# Altium PCB MAIN_BOARD.PcbDoc (part 3 of 4)
Units mm, origin at the board's own origin, x right, y up, seen from the top; angles counter-clockwise.
Board outline 130 x 120 mm, 4 copper layers (TOP, GND/INT_SIG_1, GND/INT_SIG_2, BOTTOM), stack 1.586 mm thick; 406 components, 346 nets, 1737 pads, 314 vias.
Unrouted connection lines stored in the file: 727.
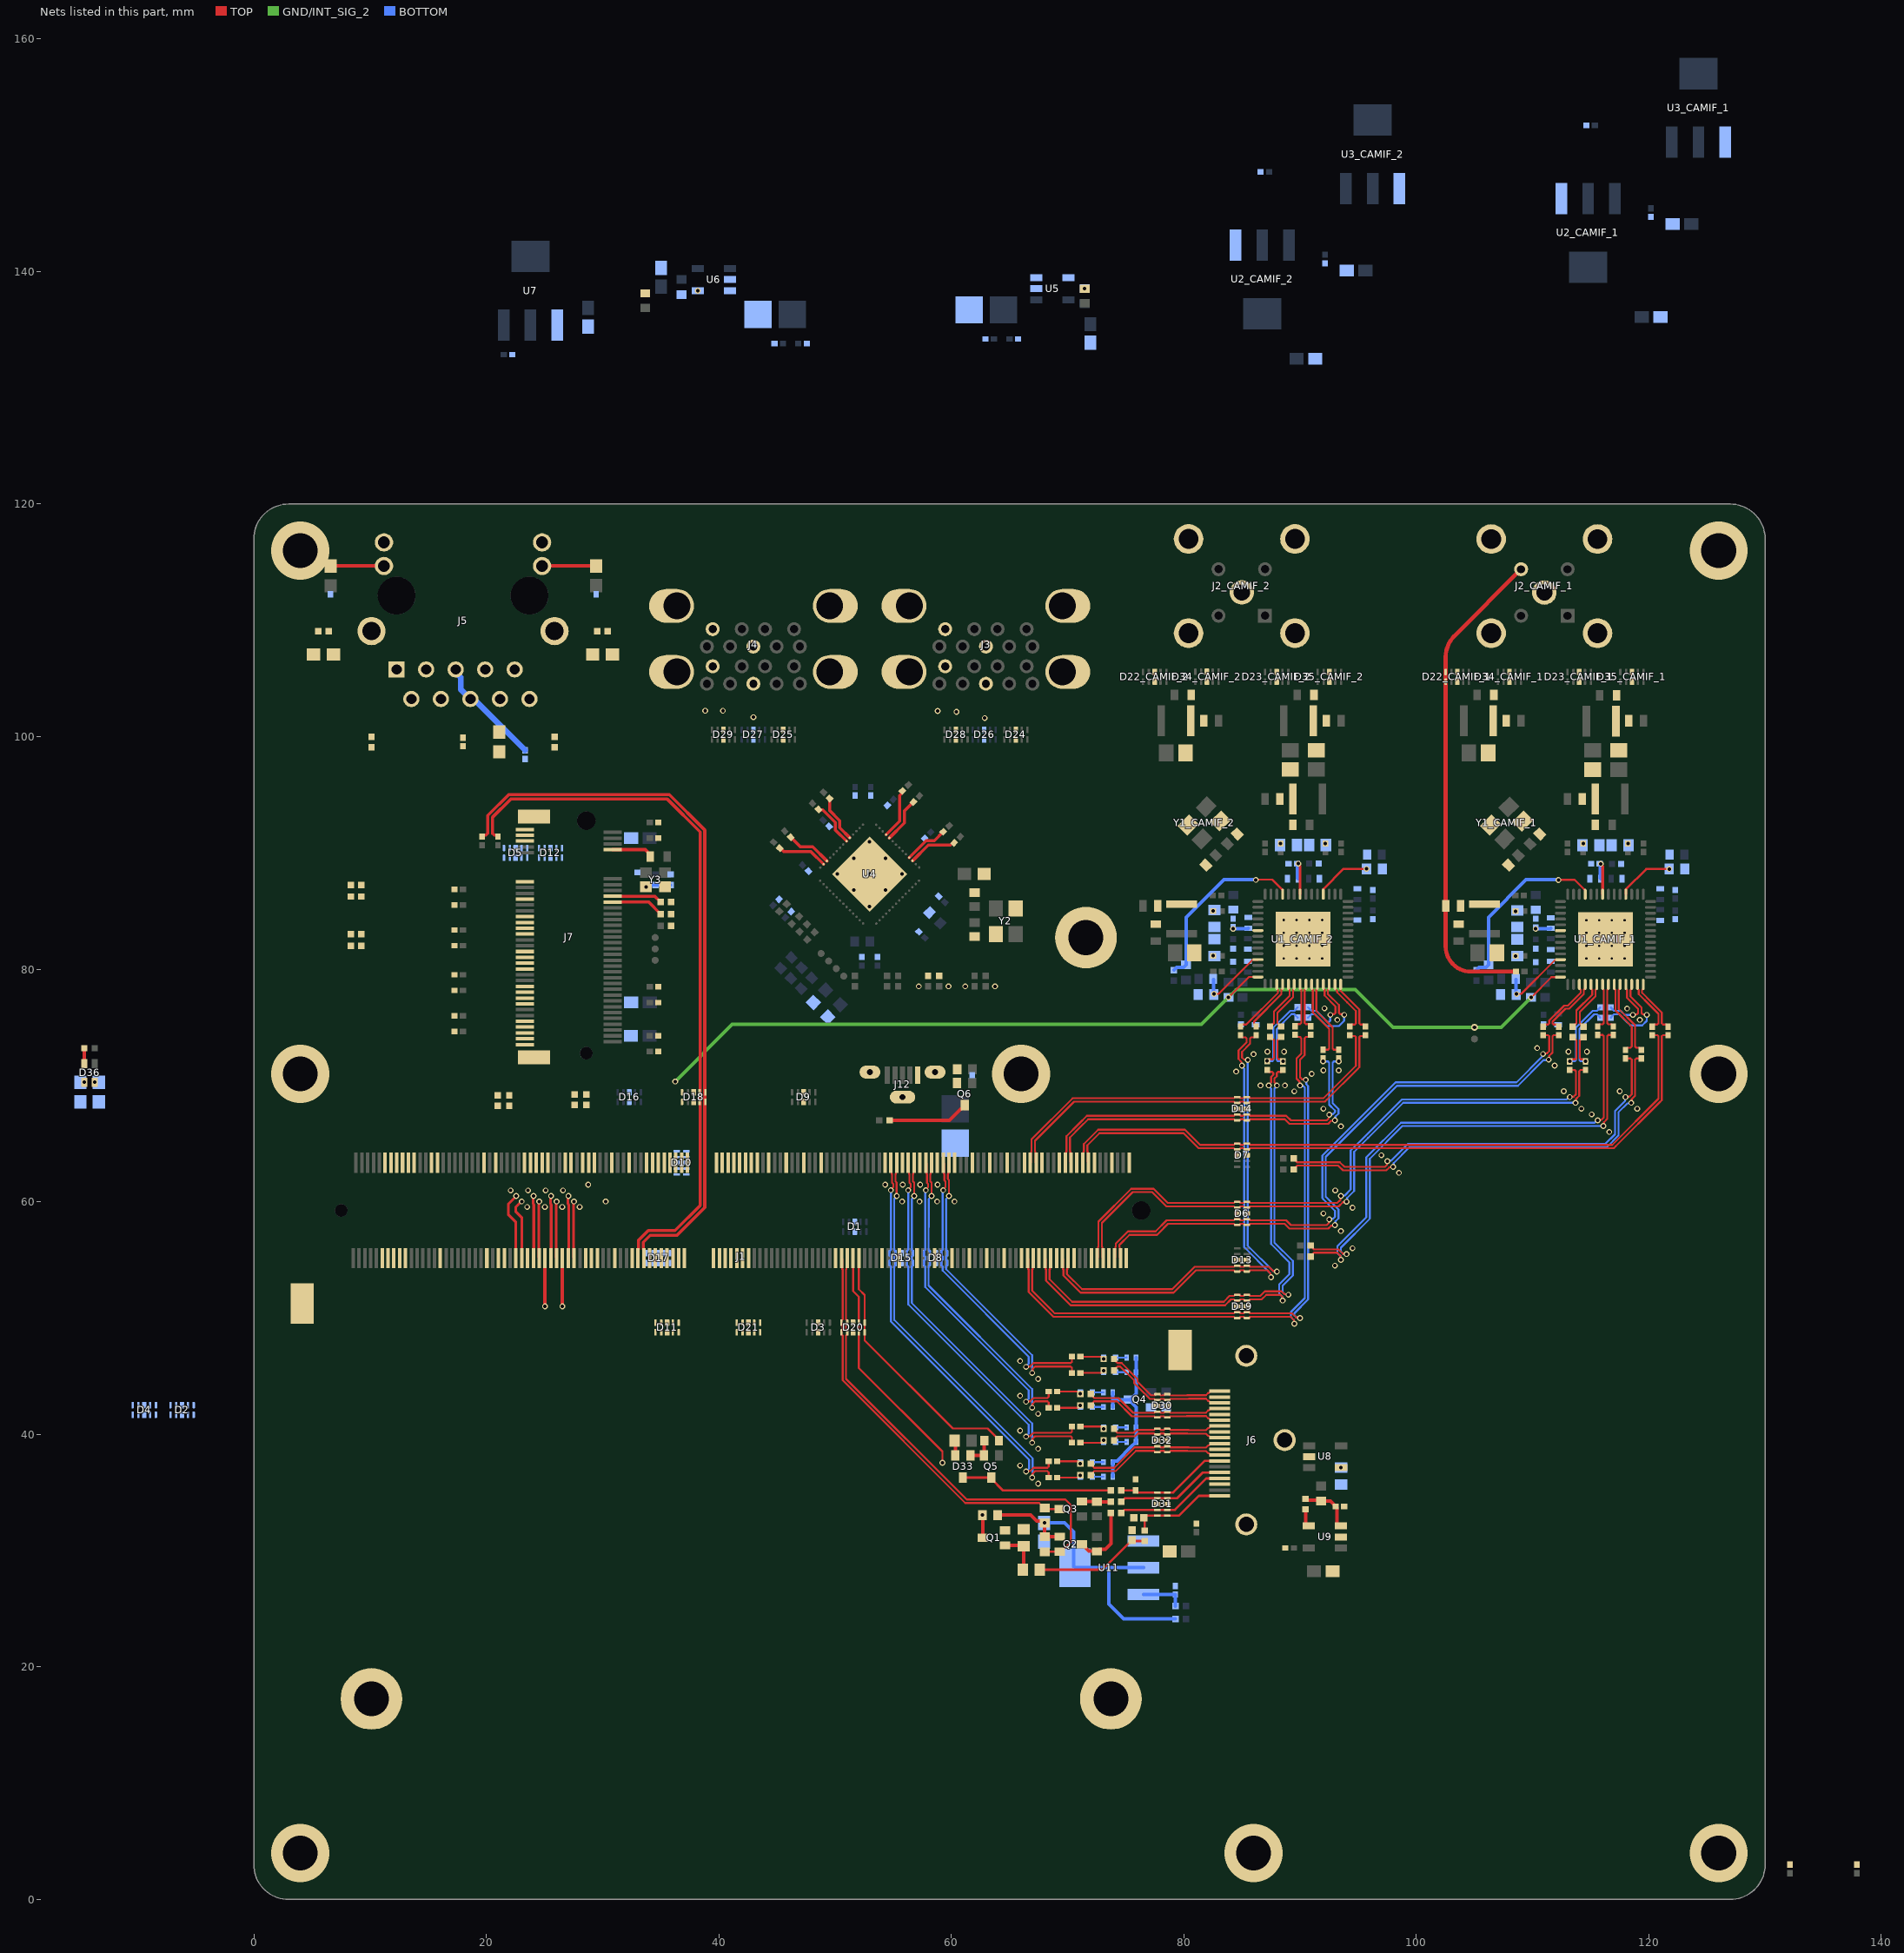
[diagram p5: the nets of this part, all layers, seen from the top]

## Via types
v1: diameter 0.5, hole 0.3, TOP to BOTTOM, 266 vias
v2: diameter 0.5, hole 0.2, TOP to BOTTOM, 32 vias
v3: diameter 5, hole 3, TOP to BOTTOM, 8 vias
v4: diameter 1, hole 0.6, TOP to BOTTOM, 8 vias

## Nets (pads, with @x,y where several pads share a name; then routed paths per layer and width w, separated by ;. In a path a pad name is that pad's centre, name@x,y a point inside that pad or via, vN(x,y) a via of type N, cw(c..) or ccw(c..) an arc to the next point about the centre after c; other vN are vias at no path point) (continued)
CAM_I2C_SDA: D18.5 D18.6 J1.215 R17_CAMIF_1.1 R17_CAMIF_2.1 TP8.1 U1_CAMIF_1.28 U1_CAMIF_2.28 | length 85.8
  TOP w0.168: v1(83.845,77.575) 85.595,79.325 U1_CAMIF_2.28@86.37,79.325 ; v1(109.869,77.567) 111.619,79.317 U1_CAMIF_1.28@112.394,79.317
  GND/INT_SIG_2 w0.3: v1(36.25,70.342) 41.158,75.25 81.52,75.25 v1(83.845,77.575) 84.52,78.25 94.75,78.25 98,75 v1(105,75) 107.302,75 v1(109.869,77.567)
CAN_RX: J1.143
CAN_TX: J1.145
CK_CAMIF_1_N: C14_CAMIF_1.2 R7_CAMIF_1.2 R8_CAMIF_1.2 | length 8.3
  TOP w0.168: R7_CAMIF_1.2@114.394,74.167 114.203,73.976 114.164,73.976 114.066,73.878 114.066,72.665 114.066,72.346 114.164,72.248 114.392,72.248 114.544,72.095 v1(114.544,72.067)
  BOTTOM w0.168: v1(114.544,72.067) 114.53,72.081 114.114,72.081 114.016,72.18 114.016,74.848 115.293,76.124 115.53,76.124 115.628,76.026 115.628,76.016 R8_CAMIF_1.2@115.819,75.825
CK_CAMIF_1_P: C11_CAMIF_1.2 R5_CAMIF_1.2 R6_CAMIF_1.2 | length 8.9
  TOP w0.168: v1(113.194,72.095) 113.346,72.248 113.673,72.248 113.772,72.346 113.772,72.788 113.772,73.878 113.673,73.976 113.635,73.976 R5_CAMIF_1.2@113.444,74.167
  BOTTOM w0.168: v1(113.194,72.095) 113.208,72.081 113.623,72.081 113.722,72.18 113.722,74.97 115.171,76.419 115.53,76.419 115.628,76.517 115.628,76.526 R6_CAMIF_1.2@115.819,76.717
CK_CAMIF_2_N: C14_CAMIF_2.2 R7_CAMIF_2.2 R8_CAMIF_2.2 | length 8.3
  TOP w0.168: R7_CAMIF_2.2@88.37,74.175 88.178,73.984 88.14,73.984 88.042,73.886 88.042,72.673 88.042,72.354 88.14,72.256 88.367,72.256 88.52,72.103 v1(88.52,72.075)
  BOTTOM w0.168: v1(88.52,72.075) 88.506,72.089 88.09,72.089 87.992,72.187 87.992,74.855 89.268,76.132 89.505,76.132 89.603,76.034 89.603,76.024 R8_CAMIF_2.2@89.795,75.833
CK_CAMIF_2_P: C11_CAMIF_2.2 R5_CAMIF_2.2 R6_CAMIF_2.2 | length 8.9
  TOP w0.168: v1(87.17,72.103) 87.322,72.256 87.649,72.256 87.747,72.354 87.747,72.795 87.747,73.886 87.649,73.984 87.611,73.984 R5_CAMIF_2.2@87.42,74.175
  BOTTOM w0.168: v1(87.17,72.103) 87.184,72.089 87.599,72.089 87.697,72.187 87.697,74.977 89.146,76.426 89.505,76.426 89.603,76.524 89.603,76.534 R6_CAMIF_2.2@89.795,76.725
CKA_CAMIF_1_N: R8_CAMIF_1.1 U1_CAMIF_1.40 | length 7.7
  TOP w0.168: U1_CAMIF_1.40@118.519,78.692 118.519,78.32 118.416,78.217 118.416,77.659 119.366,76.709 119.366,76.224 119.464,76.126 119.76,76.126 v1(119.819,76.067)
  BOTTOM w0.168: R8_CAMIF_1.1@116.719,75.825 116.91,76.016 116.91,76.026 117.008,76.124 117.451,76.124 117.994,75.581 118.417,75.158 119.419,75.158 119.819,75.558 v1(119.819,76.067)
CKA_CAMIF_1_P: R6_CAMIF_1.1 U1_CAMIF_1.39 | length 5.6
  TOP w0.168: U1_CAMIF_1.39@118.019,78.692 118.019,78.32 118.122,78.217 118.122,77.537 119.072,76.587 119.072,76.224 118.973,76.126 118.678,76.126 v1(118.619,76.067)
  BOTTOM w0.168: R6_CAMIF_1.1@116.719,76.717 116.91,76.526 116.91,76.517 117.008,76.419 117.573,76.419 117.924,76.067 v1(118.619,76.067)
CKA_CAMIF_2_N: R8_CAMIF_2.1 U1_CAMIF_2.40 | length 7.8
  TOP w0.168: U1_CAMIF_2.40@92.495,78.7 92.495,78.328 92.392,78.225 92.392,77.867 93.342,76.917 93.342,76.232 93.44,76.134 93.736,76.134 v1(93.795,76.075)
  BOTTOM w0.168: R8_CAMIF_2.1@90.695,75.833 90.886,76.024 90.886,76.034 90.984,76.132 91.273,76.132 92.292,75.113 93.342,75.113 93.795,75.566 v1(93.795,76.075)
CKA_CAMIF_2_P: R6_CAMIF_2.1 U1_CAMIF_2.39 | length 6.4
  TOP w0.168: U1_CAMIF_2.39@91.995,78.7 91.995,78.328 92.097,78.225 92.097,77.745 93.047,76.795 93.047,76.232 92.949,76.134 92.653,76.134 v1(92.595,76.075)
  BOTTOM w0.168: R6_CAMIF_2.1@90.695,76.725 90.886,76.534 90.886,76.524 90.984,76.426 91.395,76.426 92.358,75.464 92.497,75.464 92.595,75.562 v1(92.595,76.075)
CKC_CAMIF_1_N: R7_CAMIF_1.1 U1_CAMIF_1.34 | length 4.4
  TOP w0.168: R7_CAMIF_1.1@114.394,75.067 114.203,75.258 114.165,75.258 114.066,75.357 114.066,76.326 115.416,77.676 115.416,78.218 115.519,78.32 U1_CAMIF_1.34@115.519,78.692
CKC_CAMIF_1_P: R5_CAMIF_1.1 U1_CAMIF_1.33 | length 4.4
  TOP w0.168: R5_CAMIF_1.1@113.444,75.067 113.635,75.258 113.673,75.258 113.771,75.357 113.771,76.448 115.121,77.798 115.121,78.218 115.019,78.32 U1_CAMIF_1.33@115.019,78.692
CKC_CAMIF_2_N: R7_CAMIF_2.1 U1_CAMIF_2.34 | length 4.4
  TOP w0.168: R7_CAMIF_2.1@88.37,75.075 88.178,75.266 88.14,75.266 88.042,75.364 88.042,76.238 89.392,77.588 89.392,78.225 89.495,78.328 U1_CAMIF_2.34@89.495,78.7
CKC_CAMIF_2_P: R5_CAMIF_2.1 U1_CAMIF_2.33 | length 4.4
  TOP w0.168: R5_CAMIF_2.1@87.42,75.075 87.611,75.266 87.649,75.266 87.747,75.364 87.747,76.36 89.097,77.71 89.097,78.225 88.995,78.328 U1_CAMIF_2.33@88.995,78.7
CSI0_CLK_N: C14_CAMIF_1.1 D6.2 D6.9 J1.10 | length 54.8
  TOP w0.168: J1.10@73.05,55.15 72.984,55.216 72.984,56.097 72.947,56.134 72.947,58.173 75.6,60.825 77.275,60.825 78.498,59.602 84.297,59.602 84.4,59.5 D6.2@84.583,59.5 84.765,59.5 84.868,59.602 85.132,59.602 85.235,59.5 D6.9@85.417,59.5 85.6,59.5 85.703,59.602 93.319,59.602 93.671,59.955 93.955,59.955 v1(94,60) ; v1(113.686,68.508) 113.731,68.553 113.731,68.837 114.014,69.12 114.014,71.231 114.113,71.329 C14_CAMIF_1.1@114.544,71.329
  BOTTOM w0.168: v1(94,60) 94.045,60.045 94.045,60.329 94.65,60.934 94.65,64.283 95.847,65.48 98.874,68.508 v1(113.686,68.508)
CSI0_CLK_P: C11_CAMIF_1.1 D6.1 D6.10 J1.12 | length 54.7
  TOP w0.168: J1.12@72.55,55.15 72.616,55.216 72.616,56.097 72.652,56.134 72.652,58.295 75.478,61.12 77.397,61.12 78.62,59.897 84.297,59.897 84.4,60 D6.1@84.583,60 84.765,60 84.868,59.897 85.132,59.897 85.235,60 D6.10@85.417,60 85.6,60 85.703,59.897 93.197,59.897 93.463,60.163 93.463,60.447 v1(93.508,60.492) ; v1(113.194,69) 113.239,69.045 113.523,69.045 113.72,69.242 113.72,71.231 113.622,71.329 113.202,71.329 C11_CAMIF_1.1@113.194,71.337
  BOTTOM w0.168: v1(93.508,60.492) 93.553,60.537 93.837,60.537 94.355,61.056 94.355,64.405 95.725,65.775 98.752,68.802 112.93,68.802 113.127,69 v1(113.194,69)
CSI0_D0_N: C2_CAMIF_1.1 D6.5 D6.6 J1.4 | length 52.7
  TOP w0.168: J1.4@74.55,55.15 74.484,55.216 74.484,56.097 74.447,56.134 74.447,56.277 75.325,57.155 77.694,57.155 77.866,57.328 78.641,58.102 84.297,58.102 84.4,58 D6.5@84.583,58 84.765,58 84.868,58.102 85.132,58.102 85.235,58 D6.6@85.417,58 85.6,58 85.703,58.102 88.676,58.102 89.087,57.691 92.417,57.691 92.671,57.946 92.955,57.946 v1(93,57.991) ; v1(111.386,72.218) 111.431,72.263 111.431,72.547 111.716,72.832 111.716,74.224 111.814,74.323 C2_CAMIF_1.1@112.244,74.323
  BOTTOM w0.168: v1(93,57.991) 93.045,58.036 93.045,58.32 93.299,58.574 93.299,59.337 92.295,60.342 92.208,60.428 92.208,63.858 98.33,69.98 108.738,69.98 110.931,72.173 111.341,72.173 v1(111.386,72.218)
CSI0_D0_P: C1_CAMIF_1.1 D6.4 D6.7 J1.6 | length 52.7
  TOP w0.168: J1.6@74.05,55.15 74.116,55.216 74.116,56.097 74.152,56.134 74.152,56.399 75.203,57.45 77.571,57.45 78.519,58.397 84.297,58.397 84.4,58.5 D6.4@84.583,58.5 84.765,58.5 84.868,58.397 85.132,58.397 85.235,58.5 D6.7@85.417,58.5 85.6,58.5 85.703,58.397 88.798,58.397 89.209,57.986 92.295,57.986 92.463,58.154 92.463,58.438 v1(92.508,58.483) ; v1(110.894,72.71) 110.939,72.755 111.223,72.755 111.422,72.954 111.422,74.224 111.323,74.323 C1_CAMIF_1.1@110.894,74.323
  BOTTOM w0.168: v1(92.508,58.483) 92.553,58.528 92.837,58.528 93.004,58.696 93.004,59.215 92,60.22 91.914,60.306 91.914,63.98 98.208,70.275 108.616,70.275 110.83,72.49 110.83,72.647 v1(110.894,72.71)
CSI0_D1_N: C4_CAMIF_1.1 R3.2 | length 42.7
  TOP w0.168: R3.2@90.9,56.235 91.091,56.043 91.091,56.004 91.189,55.906 93.308,55.906 93.67,55.544 93.956,55.544 v1(94,55.5) ; v1(116.086,66.508) 116.131,66.553 116.131,66.837 116.416,67.122 116.416,74.249 116.514,74.348 C4_CAMIF_1.1@116.944,74.348
  BOTTOM w0.168: v1(94,55.5) 93.956,55.544 93.67,55.544 93.502,55.712 93.502,56.052 95.995,58.545 95.995,63.697 98.806,66.508 v1(116.086,66.508)
CSI0_D1_P: C3_CAMIF_1.1 R4.2 | length 42.6
  TOP w0.168: R4.2@90.9,55.283 91.091,55.474 91.091,55.513 91.189,55.612 93.186,55.612 93.462,55.336 93.462,55.05 v1(93.506,55.006) ; v1(115.594,67) 115.639,67.045 115.923,67.045 116.122,67.244 116.122,74.249 116.023,74.348 C3_CAMIF_1.1@115.594,74.348
  BOTTOM w0.168: v1(93.506,55.006) 93.462,55.05 93.462,55.336 93.208,55.59 93.208,56.175 95.7,58.667 95.7,63.819 98.684,66.802 115.33,66.802 115.527,67 v1(115.594,67)
CSI1_D0_N: C6_CAMIF_1.1 R1.2 | length 37.5
  TOP w0.168: R1.2@89.45,62.775 89.641,62.966 89.641,63.006 89.739,63.104 93.291,63.104 93.695,62.7 97.417,62.7 97.671,62.955 97.955,62.955 v1(98,63) ; v1(118.486,68.508) 118.531,68.553 118.531,68.837 118.816,69.122 118.816,72.231 118.914,72.329 C6_CAMIF_1.1@119.344,72.329
  BOTTOM w0.168: v1(98,63) 98.045,63.045 98.045,63.329 99.381,64.665 116.359,64.665 117.38,65.686 117.38,67.686 118.157,68.463 118.441,68.463 v1(118.486,68.508)
CSI1_D0_P: C5_CAMIF_1.1 R2.2 | length 37
  TOP w0.168: R2.2@89.45,63.728 89.641,63.537 89.641,63.498 89.739,63.399 93.413,63.399 93.817,62.995 97.295,62.995 97.463,63.163 97.463,63.447 v1(97.508,63.492) ; v1(117.994,69) 118.039,69.045 118.323,69.045 118.522,69.244 118.522,72.231 118.423,72.329 C5_CAMIF_1.1@117.994,72.329
  BOTTOM w0.168: v1(97.508,63.492) 97.553,63.537 97.837,63.537 99.259,64.959 116.237,64.959 117.086,65.808 117.086,67.808 117.949,68.671 117.949,68.955 v1(117.994,69)
CSI1_D1_N: C10_CAMIF_1.1 D7.4 D7.7 J1.15 | length 59.9
  TOP w0.168: J1.15@71.8,63.35 71.734,63.416 71.734,64.297 71.697,64.334 71.697,64.848 72.75,65.9 79.975,65.9 81.273,64.602 84.297,64.602 84.4,64.5 D7.7@84.583,64.5 84.765,64.5 84.868,64.602 85.132,64.602 85.235,64.5 D7.4@85.417,64.5 85.6,64.5 85.703,64.602 116.977,64.602 117.15,64.775 120.944,68.569 121.116,68.741 121.116,74.224 121.215,74.323 C10_CAMIF_1.1@121.644,74.323
CSI1_D1_P: C9_CAMIF_1.1 D7.5 D7.6 J1.17 | length 59.9
  TOP w0.168: J1.17@71.3,63.35 71.366,63.416 71.366,64.297 71.402,64.334 71.402,64.97 72.628,66.195 80.097,66.195 81.395,64.897 84.297,64.897 84.4,65 D7.6@84.583,65 84.765,65 84.868,64.897 85.132,64.897 85.235,65 D7.5@85.417,65 85.6,65 85.703,64.897 116.855,64.897 120.821,68.864 120.821,74.224 120.723,74.323 C9_CAMIF_1.1@120.294,74.323
CSI2_CLK_N: C14_CAMIF_2.1 D19.1 D19.10 J1.28 | length 45.2
  TOP w0.168: J1.28@68.55,55.15 68.484,55.084 68.484,54.203 68.447,54.167 68.447,53.338 70.385,51.4 83.429,51.4 83.927,51.897 84.297,51.897 84.4,52 D19.1@84.583,52 84.765,52 84.868,51.897 85.132,51.897 85.235,52 D19.10@85.417,52 85.6,52 85.703,51.897 86.569,51.897 86.97,52.298 88.416,52.298 88.67,52.044 88.956,52.044 v1(89,52) ; v1(88,70) 88,70.061 87.797,70.264 87.797,70.609 87.988,70.8 87.988,71.061 88.086,71.159 88.367,71.159 88.52,71.312 C14_CAMIF_2.1@88.52,71.337
  BOTTOM w0.168: v1(88,70) 88,69.939 87.797,69.736 87.797,56.48 89.375,54.902 89.375,53.65 88.502,52.777 88.502,52.212 88.67,52.044 88.956,52.044 v1(89,52)
CSI2_CLK_P: C11_CAMIF_2.1 D19.2 D19.9 J1.30 | length 45.7
  TOP w0.168: J1.30@68.05,55.15 68.116,55.084 68.116,54.203 68.153,54.167 68.153,53.216 70.263,51.105 83.551,51.105 84.049,51.603 84.297,51.603 84.4,51.5 D19.2@84.583,51.5 84.765,51.5 84.868,51.603 85.132,51.603 85.235,51.5 D19.9@85.417,51.5 85.6,51.5 85.703,51.603 86.691,51.603 87.092,52.003 88.294,52.003 88.462,51.836 88.462,51.55 v1(88.506,51.506) ; C11_CAMIF_2.1@87.17,71.345 87.17,71.312 87.322,71.159 87.595,71.159 87.693,71.061 87.693,70.922 87.502,70.731 87.502,70.264 87.299,70.061 v1(87.299,70)
  BOTTOM w0.168: v1(87.299,70) 87.299,69.939 87.502,69.736 87.502,56.358 89.08,54.78 89.08,53.772 88.208,52.9 88.208,52.09 88.462,51.836 88.462,51.55 v1(88.506,51.506)
CSI2_D0_N: C2_CAMIF_2.1 D13.4 D13.7 J1.22 | length 43.7
  TOP w0.168: J1.22@70.05,55.15 69.984,55.084 69.984,54.203 69.948,54.166 69.948,53.778 71.25,52.475 79,52.475 80.75,54.225 80.923,54.398 84.297,54.398 84.4,54.5 D13.4@84.583,54.5 84.765,54.5 84.868,54.398 85.132,54.398 85.235,54.5 D13.7@85.417,54.5 85.6,54.5 85.703,54.398 87.317,54.398 87.67,54.044 87.956,54.044 v1(88,54) ; v1(85.494,72.198) 85.45,72.242 85.164,72.242 84.997,72.41 84.997,72.894 85.692,73.589 85.692,74.046 85.79,74.144 86.067,74.144 86.22,74.297 C2_CAMIF_2.1@86.22,74.33
  BOTTOM w0.168: v1(85.494,72.198) 85.494,56.22 87.67,54.044 87.956,54.044 v1(88,54)
CSI2_D0_P: C1_CAMIF_2.1 D13.5 D13.6 J1.24 | length 44
  TOP w0.168: J1.24@69.55,55.15 69.616,55.084 69.616,54.203 69.652,54.166 69.652,53.655 71.041,52.266 71.128,52.18 79.122,52.18 81.045,54.102 84.297,54.103 84.4,54 D13.5@84.583,54 84.765,54 84.868,54.103 85.132,54.103 85.235,54 D13.6@85.417,54 85.6,54 85.703,54.103 87.195,54.103 87.462,53.836 87.462,53.55 v1(87.506,53.506) ; C1_CAMIF_2.1@84.87,74.33 84.87,74.297 85.022,74.144 85.299,74.144 85.397,74.046 85.397,73.711 84.702,73.016 84.702,72.288 84.956,72.034 84.956,71.748 v1(85,71.704)
  BOTTOM w0.168: v1(85,71.704) 85,71.639 85.2,71.439 85.2,56.098 87.462,53.836 87.462,53.55 v1(87.506,53.506)
CSI2_D1_N: C4_CAMIF_2.1 D19.4 D19.7 J1.34 | length 53.3
  TOP w0.168: J1.34@67.05,55.15 66.984,55.084 66.984,54.203 66.947,54.167 66.947,52.353 68.714,50.586 68.903,50.397 84.297,50.397 84.4,50.5 D19.4@84.583,50.5 84.765,50.5 84.868,50.397 85.132,50.397 85.235,50.5 D19.7@85.417,50.5 85.6,50.5 85.703,50.397 89.317,50.397 89.67,50.044 89.956,50.044 v1(90,50) ; v1(90.494,70.494) 90.45,70.538 90.164,70.538 89.997,70.706 89.997,72.204 90.392,72.6 90.392,74.071 90.49,74.169 90.767,74.169 90.92,74.322 C4_CAMIF_2.1@90.92,74.355
  BOTTOM w0.168: v1(90,50) 89.956,50.044 89.67,50.044 89.502,50.212 89.502,50.402 90.695,51.595 90.695,69.952 90.538,70.108 90.538,70.45 v1(90.494,70.494)
CSI2_D1_P: C3_CAMIF_2.1 D19.5 D19.6 J1.36 | length 53.7
  TOP w0.168: J1.36@66.55,55.15 66.616,55.084 66.616,54.203 66.653,54.167 66.653,52.231 68.592,50.292 68.781,50.103 84.297,50.103 84.4,50 D19.5@84.583,50 84.765,50 84.868,50.103 85.132,50.103 85.235,50 D19.6@85.417,50 85.6,50 85.703,50.103 89.195,50.103 89.462,49.836 89.462,49.55 v1(89.506,49.506) ; C3_CAMIF_2.1@89.57,74.355 89.57,74.322 89.722,74.169 89.999,74.169 90.097,74.071 90.097,72.722 89.702,72.326 89.702,70.584 89.956,70.33 89.956,70.044 v1(90,70)
  BOTTOM w0.168: v1(89.506,49.506) 89.462,49.55 89.462,49.836 89.208,50.09 89.208,50.524 90.4,51.717 90.4,69.83 90.293,69.936 90.064,69.936 v1(90,70)
CSI3_D0_N: C6_CAMIF_2.1 D14.1 D14.10 J1.21 | length 32
  TOP w0.168: J1.21@70.3,63.35 70.234,63.416 70.234,64.297 70.197,64.333 70.197,65.522 71.089,66.414 71.778,67.103 84.297,67.103 84.4,67 D14.10@84.583,67 84.765,67 84.868,67.103 85.132,67.103 85.235,67 D14.1@85.417,67 85.6,67 85.703,67.103 88.681,67.103 89.082,66.701 92.417,66.701 92.671,66.955 92.955,66.955 v1(93,67)
  BOTTOM w0.168: v1(93,67) 93.045,67.045 93.045,67.329 93.299,67.583 93.299,67.966 92.792,68.473 92.792,71.969 92.89,72.067 v1(93.32,72.067)
CSI3_D0_P: C5_CAMIF_2.1 D14.2 D14.9 J1.23 | length 32
  TOP w0.168: J1.23@69.8,63.35 69.866,63.416 69.866,64.297 69.903,64.333 69.903,65.644 70.967,66.708 71.656,67.397 84.297,67.397 84.4,67.5 D14.9@84.583,67.5 84.765,67.5 84.868,67.397 85.132,67.397 85.235,67.5 D14.2@85.417,67.5 85.6,67.5 85.703,67.397 88.803,67.397 89.204,66.996 92.295,66.996 92.463,67.163 92.463,67.447 v1(92.508,67.492)
  BOTTOM w0.168: v1(91.97,72.067) 92.399,72.067 92.497,71.969 92.497,68.351 93.004,67.844 93.004,67.705 92.837,67.537 92.553,67.537 v1(92.508,67.492)
CSI3_D1_N: C10_CAMIF_2.1 D14.4 D14.7 J1.33 | length 35.8
  TOP w0.168: J1.33@67.3,63.35 67.234,63.416 67.234,64.297 67.197,64.334 67.197,65.248 70.552,68.602 84.297,68.602 84.4,68.5 D14.7@84.583,68.5 84.765,68.5 84.868,68.602 85.132,68.602 85.235,68.5 D14.4@85.417,68.5 85.6,68.5 85.703,68.602 92.124,68.602 92.297,68.775 94.919,71.398 95.092,71.571 95.092,74.152 95.191,74.25 95.539,74.25 C10_CAMIF_2.1@95.62,74.33
CSI3_D1_P: C9_CAMIF_2.1 D14.5 D14.6 J1.35 | length 35.8
  TOP w0.168: J1.35@66.8,63.35 66.866,63.416 66.866,64.297 66.902,64.334 66.902,65.37 70.43,68.897 84.297,68.897 84.4,69 D14.6@84.583,69 84.765,69 84.868,68.897 85.132,68.897 85.235,69 D14.5@85.417,69 85.6,69 85.703,68.897 92.002,68.897 94.797,71.693 94.797,74.152 94.699,74.25 94.35,74.25 C9_CAMIF_2.1@94.27,74.33
DA0_CAMIF_1_N: C2_CAMIF_1.2 U1_CAMIF_1.32 | length 5.4
  TOP w0.168: C2_CAMIF_1.2@112.244,75.056 112.244,75.089 112.092,75.242 111.802,75.242 111.704,75.34 111.704,75.479 112.829,76.604 113.153,76.604 114.404,77.854 114.404,78.205 114.519,78.32 U1_CAMIF_1.32@114.519,78.692
DA0_CAMIF_1_P: C1_CAMIF_1.2 U1_CAMIF_1.31 | length 5.4
  TOP w0.168: C1_CAMIF_1.2@110.894,75.056 110.894,75.089 111.046,75.242 111.336,75.242 111.434,75.34 111.434,75.59 112.717,76.873 113.042,76.873 114.134,77.966 114.134,78.205 114.019,78.32 U1_CAMIF_1.31@114.019,78.692
DA0_CAMIF_2_N: C2_CAMIF_2.2 U1_CAMIF_2.32 | length 4.7
  TOP w0.168: C2_CAMIF_2.2@86.22,75.063 86.067,75.216 86.067,75.307 86.027,75.348 86.027,75.486 88.392,77.852 88.392,78.225 88.495,78.328 U1_CAMIF_2.32@88.495,78.7
DA0_CAMIF_2_P: C1_CAMIF_2.2 U1_CAMIF_2.31 | length 5.2
  TOP w0.168: C1_CAMIF_2.2@84.87,75.063 84.87,75.089 85.022,75.241 85.365,75.241 88.097,77.974 88.097,78.225 87.995,78.328 U1_CAMIF_2.31@87.995,78.7
DA1_CAMIF_1_N: C4_CAMIF_1.2 U1_CAMIF_1.36 | length 4
  TOP w0.168: U1_CAMIF_1.36@116.519,78.692 116.519,78.32 116.416,78.218 116.416,77.005 116.416,75.365 116.515,75.266 116.792,75.266 116.944,75.114 C4_CAMIF_1.2@116.944,75.081
DA1_CAMIF_1_P: C3_CAMIF_1.2 U1_CAMIF_1.35 | length 4
  TOP w0.168: C3_CAMIF_1.2@115.594,75.081 115.594,75.114 115.746,75.266 116.023,75.266 116.121,75.365 116.121,77.127 116.121,78.218 116.019,78.32 U1_CAMIF_1.35@116.019,78.692
DA1_CAMIF_2_N: C4_CAMIF_2.2 U1_CAMIF_2.36 | length 4
  TOP w0.168: U1_CAMIF_2.36@90.495,78.7 90.495,78.328 90.392,78.225 90.392,77.012 90.392,75.373 90.49,75.274 90.767,75.274 90.92,75.122 C4_CAMIF_2.2@90.92,75.088
DA1_CAMIF_2_P: C3_CAMIF_2.2 U1_CAMIF_2.35 | length 4
  TOP w0.168: C3_CAMIF_2.2@89.57,75.088 89.57,75.122 89.722,75.274 89.999,75.274 90.097,75.373 90.097,77.134 90.097,78.225 89.995,78.328 U1_CAMIF_2.35@89.995,78.7
DA2_CAMIF_1_N: C6_CAMIF_1.2 U1_CAMIF_1.38 | length 6.6
  TOP w0.168: U1_CAMIF_1.38@117.519,78.692 117.519,78.32 117.416,78.217 117.416,76.586 118.816,75.186 118.816,73.346 118.914,73.248 119.192,73.248 119.344,73.095 C6_CAMIF_1.2@119.344,73.062
DA2_CAMIF_1_P: C5_CAMIF_1.2 U1_CAMIF_1.37 | length 6.6
  TOP w0.168: U1_CAMIF_1.37@117.019,78.692 117.019,78.32 117.122,78.217 117.122,76.464 118.522,75.064 118.522,73.346 118.423,73.248 118.146,73.248 117.994,73.095 C5_CAMIF_1.2@117.994,73.062
DA2_CAMIF_2_N: C6_CAMIF_2.2 U1_CAMIF_2.38 | length 6.7
  TOP w0.168: U1_CAMIF_2.38@91.495,78.7 91.495,78.328 91.392,78.225 91.392,76.391 92.792,74.991 92.792,73.168 92.89,73.07 C6_CAMIF_2.2@93.32,73.07
DA2_CAMIF_2_P: C5_CAMIF_2.2 U1_CAMIF_2.37 | length 6.7
  TOP w0.168: U1_CAMIF_2.37@90.995,78.7 90.995,78.328 91.097,78.225 91.097,76.269 92.497,74.869 92.497,73.168 92.399,73.07 C5_CAMIF_2.2@91.97,73.07
DA3_CAMIF_1_N: C10_CAMIF_1.2 U1_CAMIF_1.42 | length 4.8
  TOP w0.168: U1_CAMIF_1.42@119.519,78.692 119.519,78.32 119.416,78.217 119.416,77.975 120.198,77.194 121.116,76.275 121.116,75.34 121.214,75.242 121.492,75.242 121.644,75.089 C10_CAMIF_1.2@121.644,75.056
DA3_CAMIF_1_P: C9_CAMIF_1.2 U1_CAMIF_1.41 | length 4.8
  TOP w0.168: U1_CAMIF_1.41@119.019,78.692 119.019,78.32 119.122,78.217 119.122,77.853 120.076,76.899 120.822,76.153 120.822,75.34 120.723,75.242 120.446,75.242 120.294,75.089 C9_CAMIF_1.2@120.294,75.056
DA3_CAMIF_2_N: C10_CAMIF_2.2 U1_CAMIF_2.42 | length 4.7
  TOP w0.168: U1_CAMIF_2.42@93.495,78.7 93.479,78.685 93.479,78.138 94.174,77.443 95.092,76.525 95.092,75.348 95.19,75.249 95.467,75.249 95.62,75.097 C10_CAMIF_2.2@95.62,75.063
DA3_CAMIF_2_P: C9_CAMIF_2.2 U1_CAMIF_2.41 | length 4.8
  TOP w0.168: U1_CAMIF_2.41@92.995,78.7 92.995,78.328 93.185,78.138 93.185,78.016 94.052,77.149 94.797,76.403 94.797,75.348 94.699,75.249 94.422,75.249 94.27,75.097 C9_CAMIF_2.2@94.27,75.063
DP1_AUX_N: D20.4 D20.7 J1.98 Q2.2 R79.1 | length 40.2
  TOP w0.168: J1.98@51.05,55.15 50.984,55.084 50.984,54.203 50.947,54.167 50.947,49.885 51.05,49.783 D20.4@51.05,49.6 51.05,49.417 50.947,49.315 50.947,49.05 51.05,48.948 D20.7@51.05,48.765 51.05,48.582 50.947,48.48 50.947,44.769 61.325,34.392 68.413,34.392 69.808,34.392 70.275,33.925 70.275,30.75 69.425,29.9 R79.1@68.025,29.9